# Altium PCB PCB.PcbDoc
Units mil, origin at the board's own origin, x right, y up, seen from the top; angles counter-clockwise.
Board outline 3929 x 1693 mil, 4 copper layers (Top Layer, PWR, GND, Bottom Layer), stack 23.756 mil thick; 142 components, 83 nets, 447 pads, 41 vias.
Unrouted connection lines stored in the file: 223.
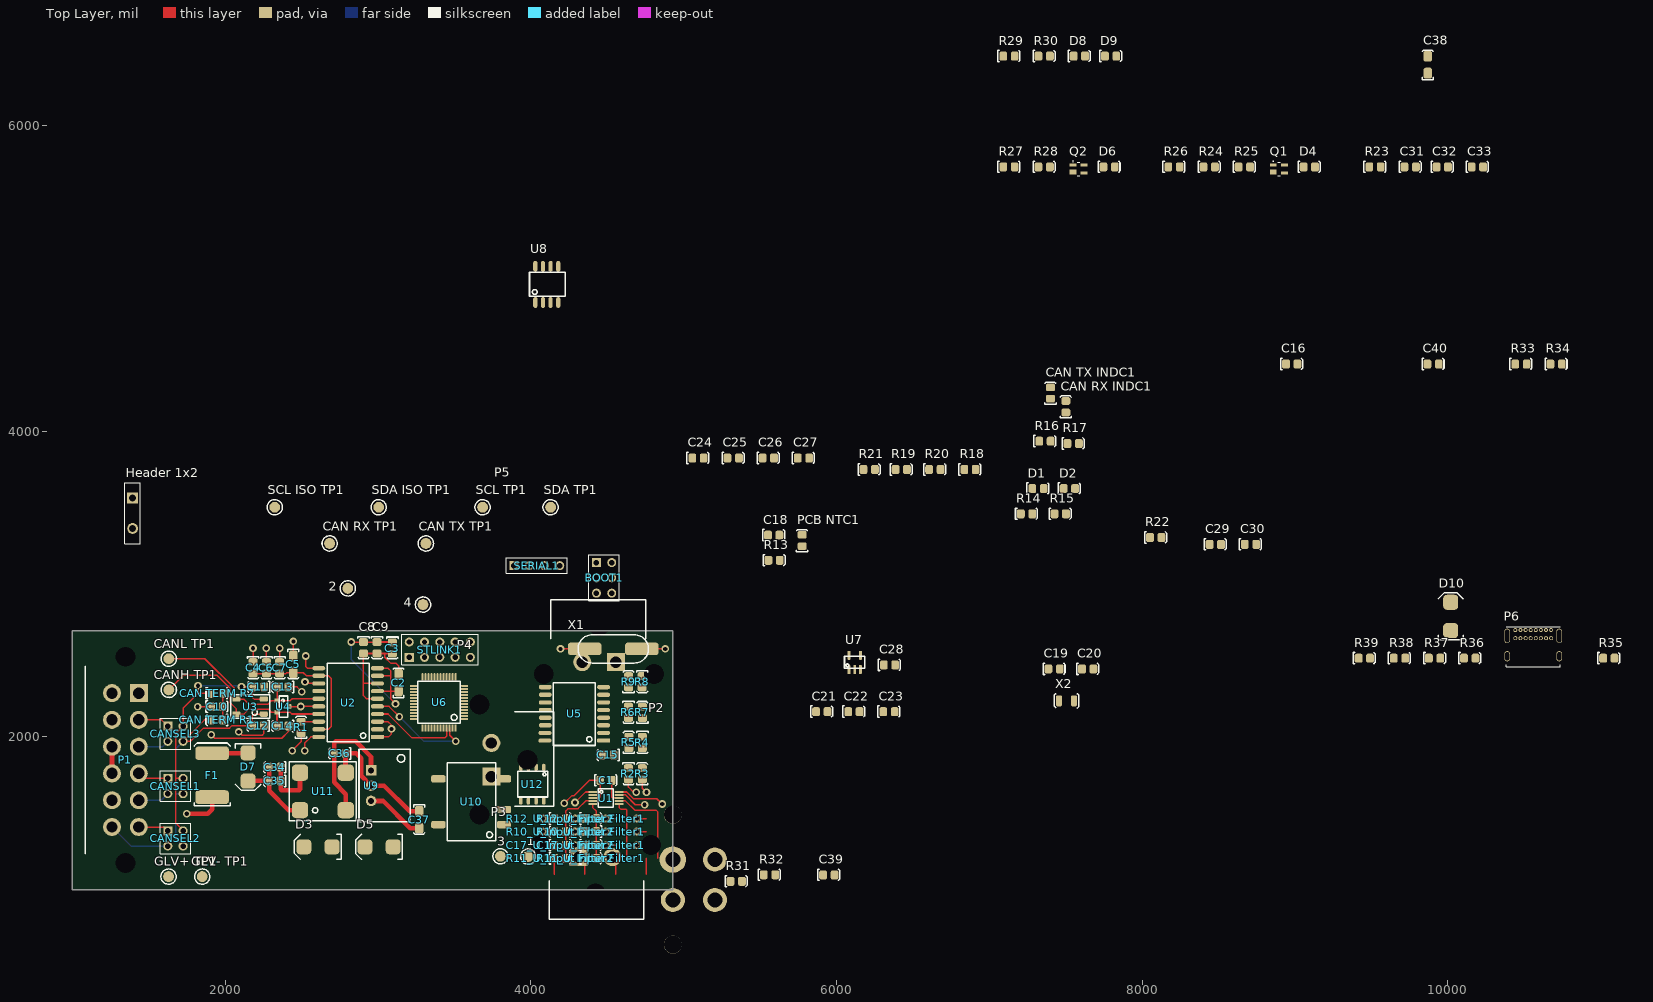
[diagram p0: Top Layer view]
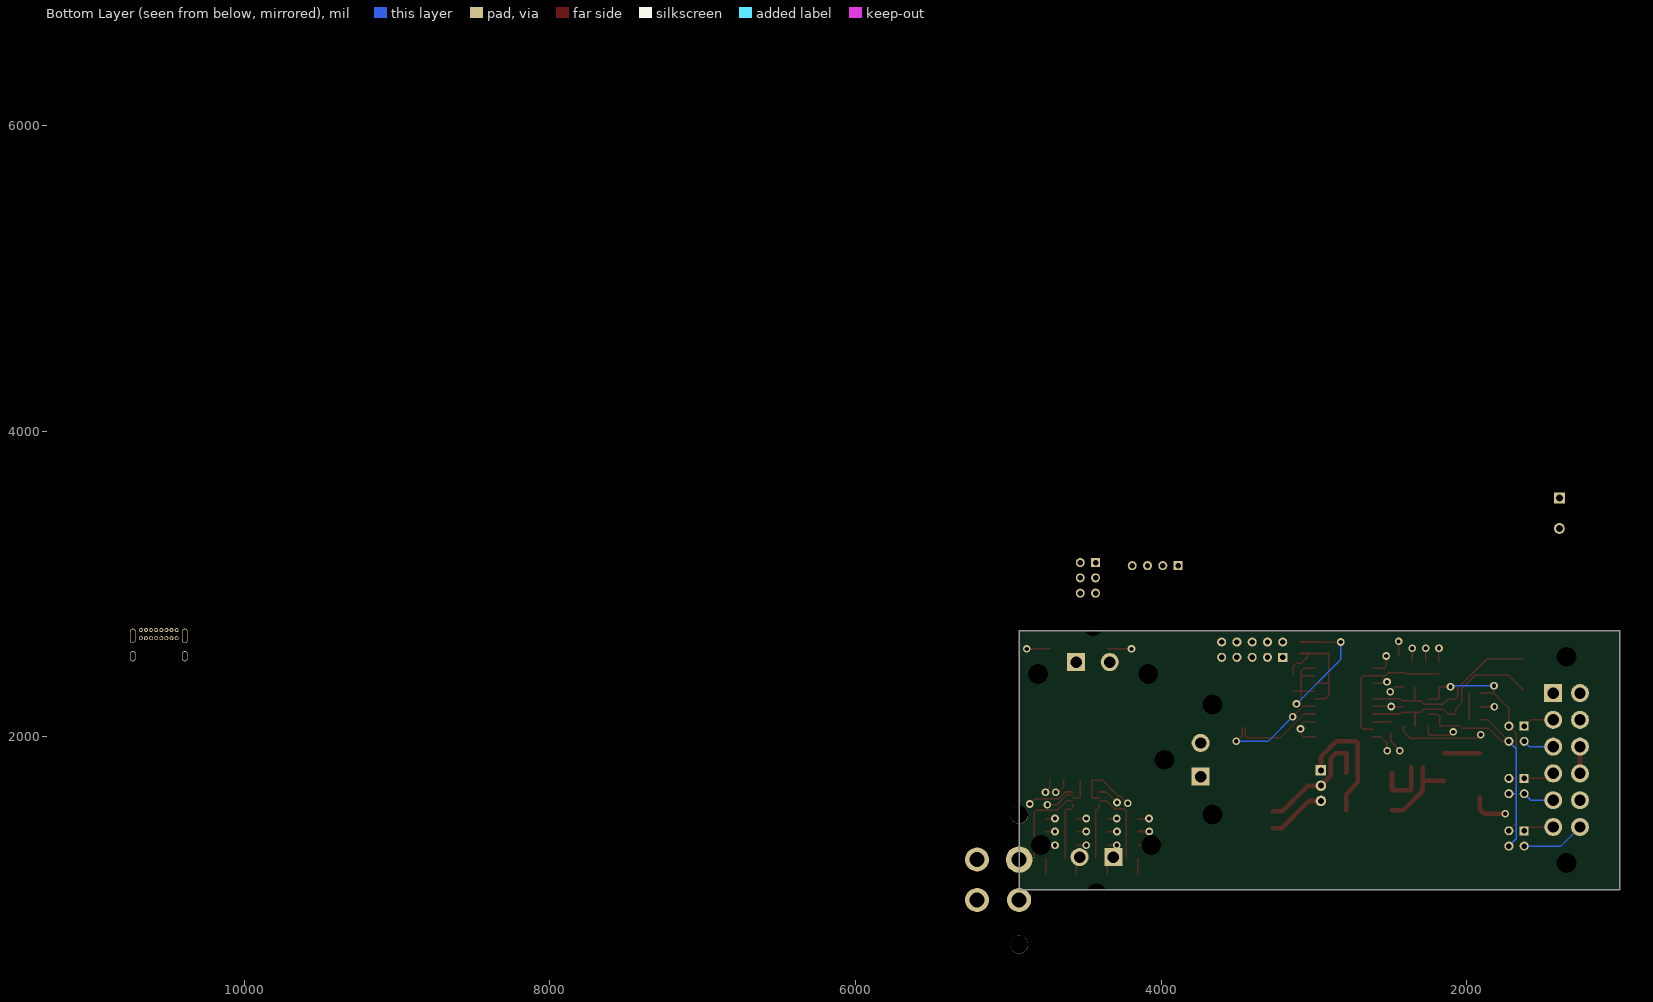
[diagram p1: Bottom Layer view, seen from below]
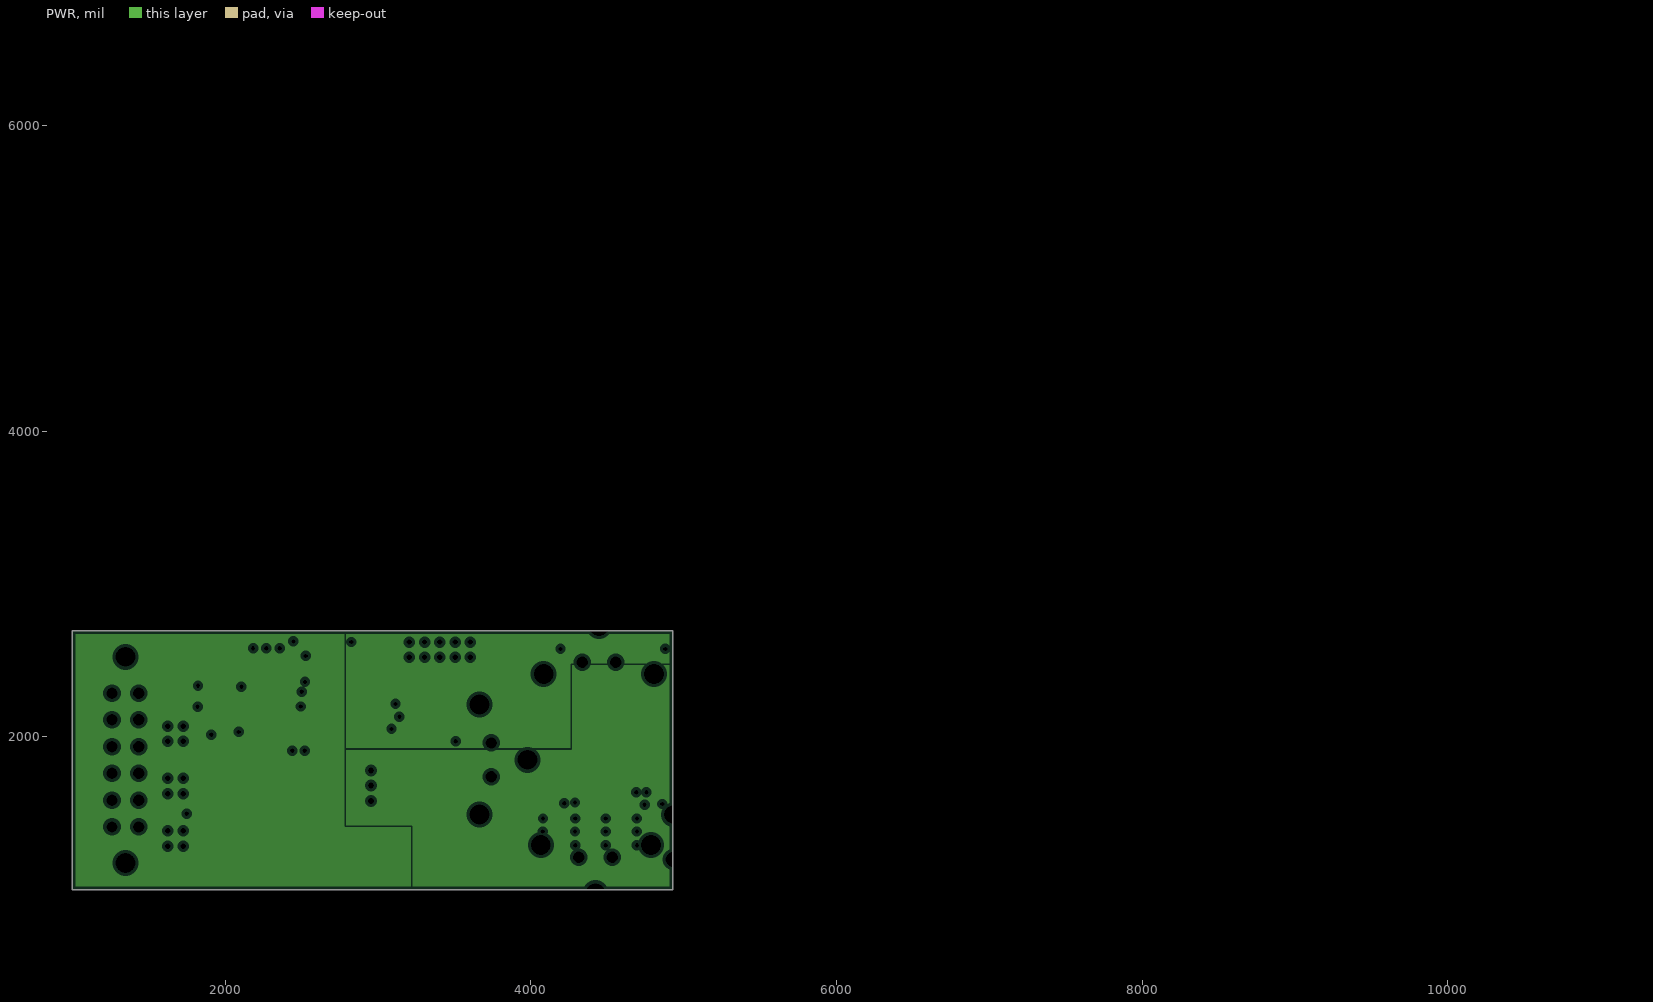
[diagram p2: PWR, clearances drawn from the general rule]
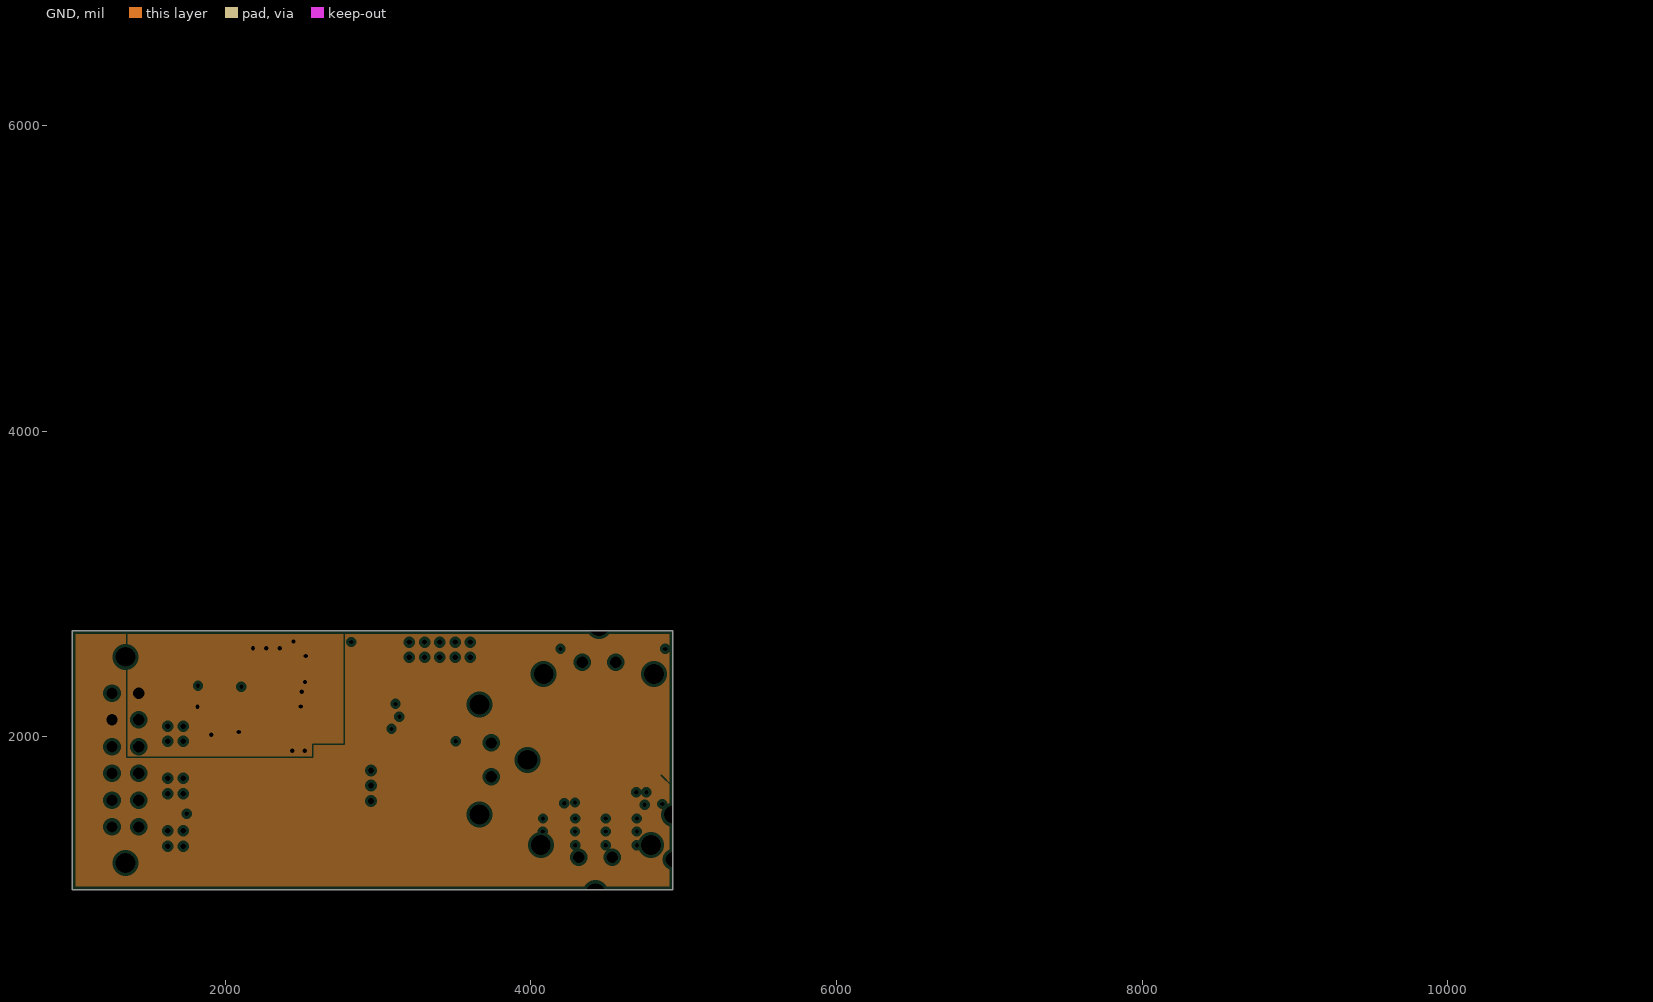
[diagram p3: GND, clearances drawn from the general rule]

## Layer stack, top to bottom
Top Solder: solder mask 0.4, Solder Resist, Dk 3.5
Top Layer: signal copper 1.4
Dielectric 2: prepreg 2.8, PP-006, Dk 4.1
PWR: plane copper 1.3778, net GLV+
Dielectric 1: dielectric 12.6, FR-4, Dk 4.8
GND: plane copper 1.3778, net (Multiple Nets)
Dielectric 3: prepreg 2.8, PP-006, Dk 4.1
Bottom Layer: signal copper 1.4
Bottom Solder: solder mask 0.4, Solder Resist, Dk 3.5

## Board outline
1000,1000 4929,1000 4929,2693 1000,2693

## Design rules (kind name [scope] priority, off if disabled: settings)
Clearance [All] p1: gap=10 ignorepadtopadclearanceinfootprint=FALSE except(0: Arc-Hole Track-Hole SMDPad-Hole THPad-Hole Via-Hole Fill-Hole Poly-Hole Region-Hole Text-Hole)
PlaneClearance [All] p1: clearance=20
PlaneConnect [All] p1: planeconnectstyle=Relief reliefexpansion=20 reliefentries=4 reliefconductorwidth=10 reliefairgap=10
PolygonConnect [All] p1: connectstyle=Relief reliefconductorwidth=10 reliefentries=4 polygonreliefangle="90 Angle" airgapwidth=10
RoutingVias [All] p1: holewidth=28 width=50 viastyle="Through Hole" minholewidth=28 minwidth=50 maxholewidth=28 maxwidth=50
SolderMaskExpansion [All] p1: expansion=4 istentingtop=FALSE
Width [All] p1: maxlimit=10 minlimit=10 preferedwidth=10
28 further rules are at their usual default settings.

## Classes and differential pairs
channel class "Input Filter": "U_Input Filter1" "U_Input Filter2" "U_Input Filter3" "U_Input Filter4"
component class "U_Power Supply": 1 2 3 4 C34 C35 C36 C37 C38 D7 D8 D9 F1 "GLV+ TP1" "GLV- TP1" R29 R30 U9 U10 U11
component class "U_Output Driver": C31 C32 C33 D3 D4 D5 D6 Q1 Q2 R23 R24 R25 R26 R27 R28 U8
component class U_Microcontroller: BOOT1 C18 C19 C20 C21 C22 C23 C24 C25 C26 C27 C28 C29 C30 "CAN RX INDC1" "CAN TX INDC1" D1 D2 D10 P6 "PCB NTC1" R13 R14 R15 R16 R17 R18 R19 R20 R21 R22 R35 R36 R37 R38 R39 SERIAL1 STLINK1 U6 U7 X1 X2
component class "U_Digital Inputs": C15 C16 C39 C40 R2 R3 R4 R5 R6 R7 R8 R9 R31 R32 R33 R34 "SCL ISO TP1" "SCL TP1" "SDA ISO TP1" "SDA TP1" U5 U12
component class U_CAN: C2 C3 C4 C5 C6 C7 C8 C9 C10 C11 C12 C13 C14 "CAN RX TP1" "CAN TERM R1" "CAN TERM R2" "CAN TX TP1" "CANH TP1" "CANL TP1" R1 U2 U3 U4
component class "U_4 Channel ADC": C1 U1
component class "Top Level": CANSEL1 CANSEL2 CANSEL3 "Header 1x2" P1 P2 P3 P4

## Components (designator, comment, footprint, x,y, rotation, side; value= is the part's Value field where it differs from the comment)
1 "0mm" "SMD Test Point" 3983,1216 r90 top
2 "0mm" "SMD Test Point" 2803,2971 r90 top
3 "0mm" "SMD Test Point" 3802,1218 r90 top
4 "0mm" "SMD Test Point" 3295,2865 r90 top
BOOT1 "2.54mm" "TH 2.54mm Header 2x3" 4430,3140 r270 top
C1 "100nF" 0805 4493.07,1716.03 r0 top
C2 "10nF" 1206 3135,2402.36 r90 top
C3 "100nF" 0805 3095,2580 r270 top
C4 "100nF" 0805 2184.03,2450.72 r270 top
C5 "10nF" 1206 2447,2427.04 r270 top
C6 "10uF" 0805 2271.03,2450.72 r270 top
C7 "100nF" 0805 2358.03,2450.72 r270 top
C8 "10uF" 0805 2906.03,2581.93 r270 top
C9 "100nF" 0805 2995,2581.93 r270 top
C10 "22pF" 0805 1947.83,2198 r0 top
C11 "100pF" 0805 2218,2325.83 r180 top
C12 "100pF" 0805 2216,2072 r180 top
C13 "100pF" 0805 2377,2325 r180 top
C14 "100pF" 0805 2377,2071 r180 top
C15 "100nF" 0805 4505,1880 r180 top
C16 "100nF" 0805 8980,4440 r0 top
"C17_U_Input Filter1" "100nF" 0805 4392.87,1291.03 r0 top (schematic designator C17)
"C17_U_Input Filter2" "100nF" 0805 4193.07,1291.03 r0 top (schematic designator C17)
C18 "100nF" 0805 5590,3320 r0 top
C19 "22pF" 0805 7425,2445 r0 top
C20 "22pF" 0805 7645,2445 r0 top
C21 "1uF" 0805 5905,2165 r0 top
C22 "100nF" 0805 6115,2165 r0 top
C23 "1uF" 0805 6345,2165 r0 top
C24 "1uF" 0805 5095,3825 r0 top
C25 "100nF" 0805 5325,3825 r0 top
C26 "100nF" 0805 5555,3825 r0 top
C27 "100nF" 0805 5785,3825 r0 top
C28 "22uF" 0805 6348.07,2471.03 r0 top
C29 "22pF" 0805 8480,3260 r0 top
C30 "22pF" 0805 8710,3260 r0 top
C31 "100nF" 0805 9755,5730 r0 top
C32 "100nF" 0805 9965,5730 r0 top
C33 "10uF" 0805 10195,5730 r0 top
C34 "10uF" 0805 2325,1800 r180 top
C35 "10uF" 0805 2325,1710 r180 top
C36 "10uF" 0805 2750,1891.01 r180 top
C37 "22uF" 1206 3270,1410 r270 top
C38 "22uF" 1206 9870,6445 r90 top
C39 "100nF" 0805 5950.94,1097.06 r0 top
C40 "100nF" 0805 9905,4440 r0 top
"CAN RX INDC1" "Blue" "0805 LED" 7500,4160 r90 top
"CAN RX TP1" "0mm" "SMD Test Point" 2684,3265 r90 top
"CAN TERM R1" "56R" 0805 1945.93,2108.97 r180 top
"CAN TERM R2" "56R" 0805 1947.83,2285 r0 top
"CAN TX INDC1" "Blue" "0805 LED" 7400,4250 r90 top
"CAN TX TP1" "0mm" "SMD Test Point" 3314,3265 r90 top
"CANH TP1" "0mm" "SMD Test Point" 1632,2307 r90 top
"CANL TP1" "0mm" "SMD Test Point" 1632,2511 r90 top
CANSEL1 "2.54mm" "TH 2.54mm Header 2x2" 1625,1727.5 r270 top
CANSEL2 "2.54mm" "TH 2.54mm Header 2x2" 1625,1385 r270 top
CANSEL3 "2.54mm" "TH 2.54mm Header 2x2" 1625,2070 r270 top
D1 "Red" "0805 LED" 7320,3625 r0 top
D2 "Red" "0805 LED" 7525,3625 r0 top
D3 "SD560BTR" "SMB Diode" 2690.2,1280 r180 top
D4 "Orange" "0805 LED" 9095,5730 r0 top
D5 "SD560BTR" "SMB Diode" 3090.2,1280 r180 top
D6 "Orange" "0805 LED" 7785,5730 r0 top
D7 "SD560BTR" "SMB Diode" 2150,1885.2 r270 top
D8 "Red" "0805 LED" 7590,6455 r0 top
D9 "Red" "0805 LED" 7795,6455 r0 top
D10 "SD560BTR" "SMB Diode" 10020,2705 r90 top
F1 "0ZCF0100AF2A" 2920 1915,1605 r90 top
"GLV+ TP1" "0mm" "SMD Test Point" 1630,1085 r180 top
"GLV- TP1" "0mm" "SMD Test Point" 1850,1085 r0 top
"Header 1x2" "2.54mm" "TH 5.08mm Header 1x2" 1395,3563 r270 top
P1 "DTF13-12P" DTF13-12P 1260,1848.23 r270 top
P2 "DTP13-4P" DTP13-4P 4930,1065 r270 top
P3 "DT13-2P" DT13-2P 4440,815 r0 top
P4 "DT13-2P" DT13-2P 4140,1865 r90 top
P5 "DT13-2P" DT13-2P 4431.46,2886.38 r180 top
P6 "USB4085-GF-A" USB4085-GF-A 10555,2540 r0 top
"PCB NTC1" "10K (NTC) (B25/85 3430K)" 0805 5775,3285 r90 top
Q1 "STD70N10F4" SOT-343_N 8895,5715 r0 top
Q2 "STD70N10F4" SOT-343_N 7585,5715 r0 top
R1 "0R" 0805 2497,2062 r90 top
R2 "10k" 0805 4640.13,1756.97 r270 top
R3 "10k" 0805 4728.97,1758.07 r90 top
R4 "10k" 0805 4731.03,1961.93 r270 top
R5 "10k" 0805 4640.54,1963.83 r90 top
R6 "10k" 0805 4640,2160 r270 top
R7 "10k" 0805 4730,2160 r90 top
R8 "10k" 0805 4730,2360 r270 top
R9 "10k" 0805 4640,2360 r90 top
"R10_U_Input Filter1" "10k" 0805 4390.97,1378.97 r180 top (schematic designator R10)
"R10_U_Input Filter2" "10k" 0805 4191.17,1378.97 r180 top (schematic designator R10)
"R11_U_Input Filter1" "1k" 0805 4392.87,1205 r0 top (schematic designator R11)
"R11_U_Input Filter2" "1k" 0805 4193.07,1205 r0 top (schematic designator R11)
"R12_U_Input Filter1" "10k" 0805 4392.87,1466.03 r0 top (schematic designator R12)
"R12_U_Input Filter2" "10k" 0805 4193.07,1466.03 r0 top (schematic designator R12)
R13 "10k" 0805 5593.07,3156.03 r0 top
R14 "510R" 0805 7245,3460 r0 top
R15 "510R" 0805 7465,3460 r0 top
R16 "680R" 0805 7365,3935 r0 top
R17 "680R" 0805 7550,3920 r0 top
R18 "10k" 0805 6875,3750 r0 top
R19 "5.1k" 0805 6425,3750 r0 top
R20 "5.1k" 0805 6645,3750 r0 top
R21 "10k" 0805 6215,3750 r0 top
R22 "10M" 0805 8090,3305 r0 top
R23 "1.5k" 0805 9525,5730 r0 top
R24 "10k" 0805 8440,5730 r0 top
R25 "20k" 0805 8670,5730 r0 top
R26 "1.5k" 0805 8210,5730 r0 top
R27 "10k" 0805 7130,5730 r0 top
R28 "20k" 0805 7360,5730 r0 top
R29 "680R" 0805 7130,6455 r0 top
R30 "510R" 0805 7360,6455 r0 top
R31 "3.3k" 0805 5345,1055 r0 top
R32 "3.3k" 0805 5563.07,1098.03 r0 top
R33 "3.3k" 0805 10480,4440 r0 top
R34 "3.3k" 0805 10710,4440 r0 top
R35 "1.5k" 0805 11055,2515 r0 top
R36 "20R" 0805 10145,2515 r0 top
R37 "20R" 0805 9915,2515 r0 top
R38 "5.1k" 0805 9685,2515 r0 top
R39 "5.1k" 0805 9455,2515 r0 top
"SCL ISO TP1" "0mm" "SMD Test Point" 2325,3502 r90 top
"SCL TP1" "0mm" "SMD Test Point" 3685,3502 r90 top
"SDA ISO TP1" "0mm" "SMD Test Point" 3005,3502 r90 top
"SDA TP1" "0mm" "SMD Test Point" 4130,3502 r90 top
SERIAL1 "2.54mm" "TH 2.54mm Header 1x4" 3890,3120 r0 top
STLINK1 "2.54mm" "TH 2.54mm Header 2x5" 3205,2520 r0 top
U1 "ADS1115" "TI 10-VSSOP" 4491.61,1599.37 r0 top
U2 "ADM3053" "AD SOIC-W 20" 2804.98,2224 r90 top
U3 "B82787C0104H002" "TDK 4-PC Pad" 2253.13,2148.57 r180 top
U4 "NUP2105L" "ON SOT-23" 2379,2198 r270 top
U5 "ADuM1400" "AD 16-SOIC" 4285,2200 r90 top
U6 "STM32F103C8T6" "STM 48-LQFP" 3400,2225 r90 top
U7 "RT9193-33GB" "RICHTEK SOT-23-5" 6121.97,2479.37 r0 top
U8 "ADUM3221ARZ" "AD 8-SOIC" 4105,4960 r0 top
U9 "R-78C5.0-1.0" "RECOM 3-SIP" 2955,1780 r270 top
U10 "R2S-0505/HP" "RECOM 8-SMD (5 Pin)" 3612.4,1575 r90 top
U11 "744272121" "Wurth 4-PC Pad" 2790,1764.88 r180 top
U12 "ISO1540DR" "TI 8-SOIC" 3985,1419 r270 top
X1 "Value" "Abracon HC-49/US" 4540,2575 r0 top
X2 "32.768kHz" "EPSON 2-SMD" 7505.79,2235 r0 top
